# KiCad board zone-controller.kicad_pcb (continued)
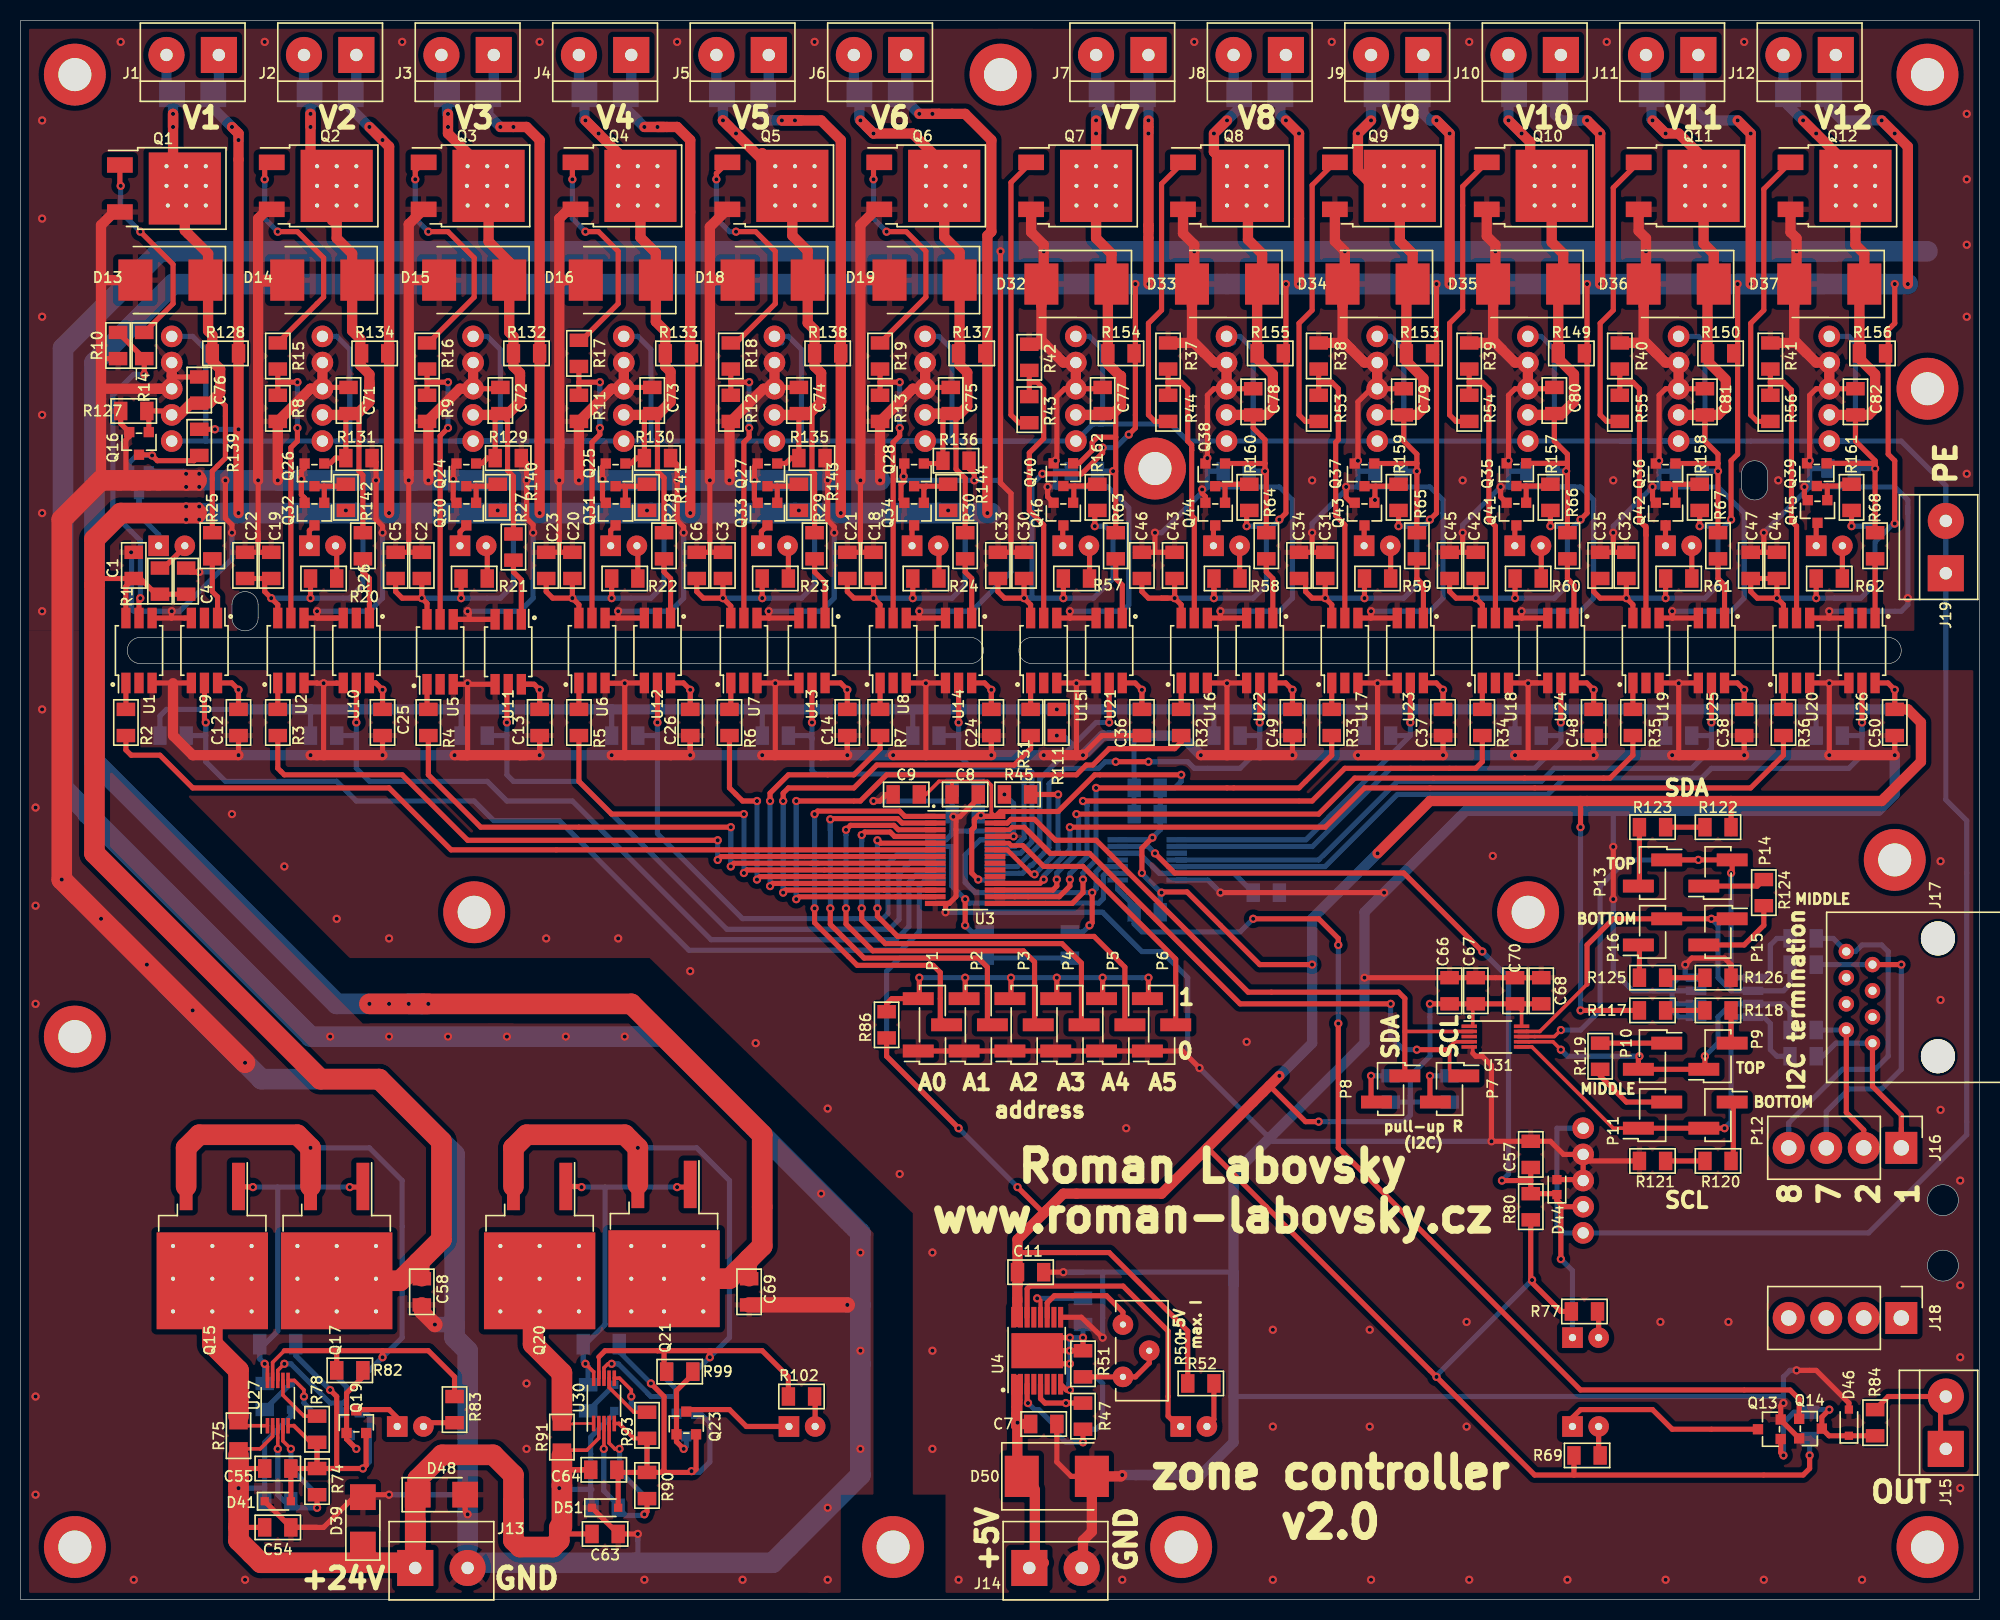
[diagram p0: board, top side]
## Routing (per net, layer and track width the routed paths; a pad name or vN(x,y) marks a point on that pad's centre or on a via; arc(x,y) is an arc through that point) (continued)
+24V_B: length 865.7
  Top w0.5: 122.73,120.65 122.73,105.41 v1(122.1,104.77) 122.18,104.69 ; 122.73,120.65 v1(122.73,127.63) ; 122.73,120.65 R155.1 ; v1(141.15,97.15) 139.25,97.15 138.61,97.79 C45.1 ; v1(141.15,97.15) 141.78,96.52 U18.6 ; v1(141.15,97.15) C42.1 ; v1(174.17,97.15) 174.17,99.06 ; v1(97.33,97.15) 97.97,96.52 U15.6 ; v1(97.33,97.15) 95.43,97.15 94.8,97.79 C33.1 ; v1(97.33,97.15) C30.1 ; 124.64,99.06 124.64,97.79 125.27,97.15 v1(126.55,97.15) ; R160.1 118.92,105.41 v1(118.92,104.14) ; v1(133.66,104.14) R159.1 ; v1(181.79,104.39) 181.79,110.49 181.15,111.12 181.15,120.9 ; 166.55,120.78 v1(166.55,127.63) ; 166.55,120.78 166.55,111.12 165.91,110.49 v1(165.91,104.77) ; 166.55,120.78 166.42,120.9 R150.1 ; R57.1 v1(101.14,97.15) ; C43.1 v1(111.94,97.15) ; v1(111.94,97.15) 112.58,96.52 U16.6 ; v1(111.94,97.15) 110.67,97.15 ; v1(130.36,97.15) R59.1 ; R60.1 v1(144.96,97.15) ; R157.1 v1(148.39,104.14) ; v1(107.49,113.03) 108.13,113.66 v1(108.13,127.63) ; U20.6 171,96.52 v1(170.36,97.15) ; v1(170.36,97.15) 168.45,97.15 167.82,97.79 C47.1 C44.1 v1(170.36,97.15) ; C32.1 v1(155.75,97.15) ; v1(155.75,97.15) 156.39,96.52 U19.6 ; v1(155.75,97.15) 153.21,97.15 152.58,97.79 152.58,99.06 ; U17.6 127.18,96.52 v1(126.55,97.15) ; v1(126.55,97.15) C31.1 ; 137.34,120.78 137.21,120.9 R153.1 ; 137.34,120.78 v1(137.34,127.63) ; 137.34,120.78 137.34,105.41 v1(136.7,104.77) ; v1(104.95,111.76) 104.95,111.25 102.92,109.22 v1(99.11,109.22) ; R58.1 v1(115.75,97.15) 115.75,98.07 ; 181.15,120.9 R156.1 ; 181.15,120.9 181.15,123.19 181.79,123.82 v1(181.79,127.63) ; 151.94,120.9 151.94,105.41 v1(151.31,104.77) ; 151.94,120.9 v1(151.94,127.63) ; 151.94,120.9 R149.1 ; v1(104.19,104.14) 104.19,105.41 R162.1 ; 104.32,105.41 104.95,105.41 ; 110.67,97.15 109.4,97.15 108.77,97.79 C46.1 ; 110.67,97.15 111.3,97.15 ; v1(177.6,104.14) R161.1 ; v1(159.56,97.15) R61.1 ; v1(162.87,104.14) R158.1
  Top w1: v1(109.4,127.63) 109.4,133.35 ; v1(124,127.63) v1(124,142.24) v1(122.73,143.51) ; 109.4,133.35 109.4,132.71 ; 109.4,133.35 v1(109.4,143.51) ; v1(180.52,143.51) v1(181.79,142.24) 183.06,140.97 v1(183.06,127.63) ; v1(166.55,143.51) v1(167.82,142.24) v1(167.82,127.63) ; v1(137.34,143.51) v1(138.61,142.24) v1(138.61,127.63) ; v1(151.94,143.51) v1(153.21,142.24) v1(153.21,127.63)
  Top w1.5: C69.1 70.67,33.02
  Top w2: v1(39.55,57.78) v1(33.83,57.78) ; 38.92,57.78 59.23,57.78 71.93,45.08 71.93,34.29 68.76,31.11 Q21.3
  Bottom w0.5: v1(99.11,109.22) 98.1,108.2 98.1,97.28 97.97,97.15 v1(97.33,97.15) v1(101.14,97.15) 104.07,97.15 105.97,99.06 105.97,103.38 105.21,104.14 v1(104.19,104.14) ; 180.52,103.25 181.66,104.39 v1(181.79,104.39) ; 180.52,103.25 179.88,102.62 179.88,98.55 178.49,97.15 175.95,97.15 ; 180.52,103.25 179.63,104.14 v1(177.6,104.14) ; v1(122.1,104.77) 121.21,103.89 ; 121.21,103.89 120.83,103.5 120.83,98.42 119.56,97.15 v1(111.94,97.15) ; 121.21,103.89 120.96,104.14 v1(118.92,104.14) ; 135.88,103.95 135.44,103.5 135.44,98.42 134.16,97.15 v1(126.55,97.15) ; 135.88,103.95 135.69,104.14 v1(133.66,104.14) ; 135.88,103.95 v1(136.7,104.77) ; 164.84,103.7 164.64,103.5 164.64,98.42 163.38,97.15 v1(155.75,97.15) ; 164.84,103.7 v1(165.91,104.77) ; 164.84,103.7 164.39,104.14 v1(162.87,104.14) ; 175.95,97.15 178.23,97.15 ; 175.95,97.15 v1(174.17,97.15) v1(170.36,97.15) ; 150.29,103.76 150.04,103.5 150.04,98.42 148.77,97.15 v1(141.15,97.15) ; 150.29,103.76 149.91,104.14 v1(148.39,104.14) ; 150.29,103.76 v1(151.31,104.77) ; v1(104.95,111.76) 106.22,111.76 v1(107.49,113.03)
  Bottom w1: 109.4,146.05 v1(109.4,143.51) v1(109.4,142.24) ; J7.1 109.4,146.59 D20.1 108.77,145.95 ; J8.1 122.73,146.59 D21.1 ; J9.1 136.07,146.59 D22.1 136.07,145.51 136.07,144.14 136.7,143.51 v1(137.34,143.51) v1(138.61,142.24) ; J11.1 162.74,146.59 D24.1 162.2,144.69 163.38,143.51 v1(166.55,143.51) v1(167.82,142.24) ; v1(124,142.24) v1(122.73,143.51) 122.2,144.05 D21.1 ; D25.1 175.44,144.78 176.71,143.51 v1(180.52,143.51) v1(181.79,142.24) ; D25.1 176.07,145.41 ; D25.1 176.07,146.69 J12.1 ; 122.73,145.51 D21.1 ; 150.67,143.51 v1(151.94,143.51) v1(153.21,142.24) ; 150.67,143.51 151.31,143.51 ; 150.67,143.51 149.4,143.51 148.86,144.05 D23.1 149.4,146.59 J10.1
  Bottom w2: 16.69,127.63 v1(108.13,127.63) 132.89,127.63 ; 144.32,127.63 v1(137.34,127.63) v1(122.73,127.63) 120.83,127.63 ; 17.33,127.63 14.78,127.63 7.17,120.01 7.17,81.28 30.66,57.78 38.92,57.78 ; 174.81,127.63 158.93,127.63 ; 165.28,127.63 141.78,127.63 ; v1(37.64,57.78) v1(39.55,57.78) ; v1(183.06,127.63) v1(166.55,127.63)
  vias: v1(35.74,57.78)
GND: length 871.4
  Top w0.35: 140.85,53.61 140.85,53 ; 96.32,74.03 96.38,74.1 ; 92.89,78.74 C8.2
  Top w0.5: C68.2 C70.2 C67.2 C66.2 v1(130.36,60.32) ; 103.05,81.99 104.88,83.82 105.59,83.82 ; 96.32,74.03 U3.25 95.8,74.03 ; v1(160.83,88.9) 160.83,81.91 ; SW13.4 SW13.3 151.47,40.73 D44.2 ; SW13.4 149.66,43.18 148.39,44.45 C57.2 ; SW13.4 152.2,42.54 R121.2 ; v1(104.95,25.4) 102.89,27.38 U4.9 ; U5.3 U11.4 ; 58.6,88.92 58.58,88.9 56.7,88.9 56.67,88.92 ; v1(50.34,81.91) C13.2 50.34,82.55 ; v1(114.35,51.56) 112.7,53.21 P6.1 ; U15.3 104.32,88.92 ; v1(87.81,88.9) 87.81,81.91 ; C49.2 v1(123.37,81.91) ; C11.2 v1(101.14,31.75) ; 64.95,82.55 C26.2 v1(64.95,81.91) ; C9.2 84,78.1 83.36,77.47 v1(82.73,77.47) ; v1(175.44,81.91) v1(175.44,88.9) ; 105.59,83.82 104.95,83.82 ; 105.59,83.82 C36.2 ; 80.19,82.55 C14.2 v1(80.19,81.91) ; U12.4 58.62,88.92 v1(58.6,88.9) 58.6,81.91 ; v1(172.26,22.22) 174.17,22.22 177.34,19.05 D46.2 ; v1(89.71,66.67) 89.71,67.31 89.93,67.53 ; C24.2 v1(94.16,81.91) ; 78.28,81.91 79.55,81.91 ; 103.91,11.94 101.91,11.94 100.51,13.33 C7.2 ; v1(116.39,68.58) v1(132.26,68.58) ; U1.3 U9.4 ; U3.14 89.93,67.53 ; 89.93,67.53 90.06,67.53 90.73,68.2 90.73,75.69 v1(90.48,75.95) 91.11,75.95 92.89,77.72 C8.2 ; U20.3 U26.4 ; v1(137.97,81.91) C37.2 ; v1(29.39,88.9) 29.39,81.91 ; v1(131.62,88.9) 131.62,81.91 ; v1(73.2,88.9) 73.2,81.91 ; 49.71,81.91 49.08,81.91 ; 30.64,88.9 30.66,88.92 ; 140.85,53 141.15,52.7 141.78,52.7 142.67,51.82 v1(142.67,44.45) 145.85,44.45 ; U16.3 U22.4 ; U19.3 162.67,88.92 ; P1.1 110.56,53.21 ; U10.4 31.27,88.9 28.75,88.9 28.73,88.92 U2.3 ; U8.3 U14.4 ; U24.4 146.25,88.92 v1(146.23,88.9) 146.23,81.91 ; C12.2 v1(21.14,81.91) ; v1(171,19.05) 170.72,18.78 Q13.2 170.72,17.41 Q14.2 ; v1(43.36,88.9) 43.36,81.91 ; U7.3 U13.4 ; C48.2 v1(152.58,81.91) ; v1(117.02,88.9) 117.02,81.91 ; U17.3 U23.4 ; C25.2 v1(35.11,81.91) ; C50.2 v1(181.79,81.91) ; C38.2 v1(167.19,81.91) ; R126.2 165.91,61.59 165.28,62.23 162.1,62.23 v1(161.47,61.59) ; v1(154.48,67.94) v1(154.48,73.03) ; U18.3 147.15,88.92 ; v1(102.42,88.9) 102.42,81.91 ; 64.31,81.91 63.05,81.91
  Top w1: v1(152.58,81.91) v1(144.96,81.91) ; v1(94.16,81.91) v1(84.64,81.91) ; 103.05,3.56 103.05,5.72 103.91,6.57 103.91,11.94 106.73,11.94 v1(106.86,12.06) ; v1(160.2,81.91) v1(167.19,81.91) ; 78.28,81.91 77.65,81.91 ; 77.65,81.91 v1(71.93,81.91) ; 77.65,81.91 v1(80.19,81.91) ; 103.05,81.99 103.01,81.95 ; v1(21.14,81.91) 16.69,81.91 14.78,83.82 14.78,88.9 ; v1(137.97,81.91) v1(129.72,81.91) ; v1(175.44,81.91) v1(181.79,81.91) ; v1(103.05,81.91) v1(99.24,81.91) ; 43.36,81.91 48.44,81.91 ; 43.36,81.91 v1(42.09,81.91) ; 43.36,81.91 42.72,81.91 ; 48.44,81.91 v1(50.34,81.91) ; 48.44,81.91 49.08,81.91 ; v1(57.33,81.91) v1(64.95,81.91) ; v1(114.48,81.91) v1(123.37,81.91) ; v1(35.11,81.91) v1(28.12,81.91)
  Bottom w0.5: 139.88,19.69 171,19.69 ; 139.88,19.69 140.51,19.69 ; 139.88,19.69 117.65,19.69 ; 171,19.69 v1(171,19.05) ; 171,19.69 171,21.59 171.63,22.22 v1(172.26,22.22) ; 160.2,59.05 160.2,59.69 160.83,60.32 161.47,60.32 ; 160.2,59.05 160.2,57.78 ; 160.2,59.05 158.93,59.05 ; 160.2,59.05 D52.7 ; 158.93,59.05 158.29,59.05 ; 158.93,59.05 156.39,59.05 154.48,60.96 v1(154.48,67.94) ; 160.2,57.78 160.2,57.15 160.83,56.51 D52.5 ; 160.2,57.78 D52.6 ; v1(152.58,81.91) C48.2 ; 90.35,77.47 v1(82.73,77.47) ; 90.35,77.47 C59.1 ; 90.35,77.47 C61.1 90.35,74.55 ; 154.17,76.52 154.48,76.2 v1(154.48,73.03) ; 91.87,74.55 92.38,74.55 ; 92.38,74.55 90.35,74.55 ; 92.38,74.55 96.32,74.55 ; C25.2 v1(35.11,81.91) ; C38.2 v1(167.19,81.91) ; 90.35,74.55 90.35,74.29 89.76,73.7 U28.7 ; v1(142.67,44.45) 121.46,44.45 121.15,44.77 ; v1(95.43,78.1) 96.32,77.22 v1(96.32,74.04) ; 104.95,27.3 104.95,31.75 ; 104.95,27.3 v1(104.95,25.4) ; 104.95,27.3 104.95,29.84 ; 104.95,31.75 101.78,31.75 ; 104.95,31.75 117.65,31.75 ; v1(116.39,68.58) 115.16,69.8 U29.7 ; 112.19,69.75 112.14,69.75 ; v1(101.14,31.75) 101.78,31.75 ; 101.78,31.75 103.05,31.75 ; 108,75.56 108,83.69 108.13,83.82 ; v1(89.71,66.67) 104.95,66.67 108.77,62.86 110.67,62.86 113.21,60.32 113.21,52.7 120.83,45.08 121.46,45.08 ; C50.2 v1(181.79,81.91) ; C26.2 v1(64.95,81.91) ; v1(161.47,61.59) 161.47,60.32 ; 161.47,60.32 D52.8 ; v1(21.14,81.91) C12.2 ; C37.2 v1(137.97,81.91) ; C49.2 v1(123.37,81.91) ; C13.2 v1(50.34,81.91) ; C24.2 v1(94.16,81.91) ; C14.2 v1(80.19,81.91)
  Bottom w1: v1(152.58,81.91) v1(160.2,81.91) ; v1(99.24,81.91) v1(94.16,81.91) ; v1(84.64,81.91) v1(80.19,81.91) ; v1(181.79,81.91) 181.79,78.1 180.2,76.52 140.2,76.52 130.36,66.67 130.36,53.97 117.65,41.28 117.65,30.48 ; v1(50.34,81.91) v1(57.33,81.91) ; v1(28.12,81.91) v1(21.14,81.91) ; v1(42.09,81.91) v1(35.11,81.91) ; v1(103.05,81.91) 104.95,83.82 112.58,83.82 v1(114.48,81.91) ; v1(167.19,81.91) v1(175.44,81.91) ; 110.67,12.06 108.13,12.06 ; v1(64.95,81.91) v1(71.93,81.91) ; v1(137.97,81.91) v1(144.96,81.91) ; v1(106.86,12.06) 108.13,12.06 ; 108.13,12.06 114.48,12.06 117.65,15.24 117.65,31.75 ; v1(123.37,81.91) v1(129.72,81.91)
  vias: v1(20.5,76.2) v1(25.58,71.12) v1(30.66,66.04) v1(35.74,64.13) v1(50.98,64.13) v1(57.96,64.13) v1(64.95,60.96) v1(71.3,53.97) v1(78.28,47.62) v1(85.27,41.28) v1(88.45,33.66) v1(88.45,24.13) v1(88.45,14.6) v1(90.98,1.91) v1(106.86,1.91) v1(107.24,45.72) v1(118.92,54.1) v1(121.46,26.16) v1(121.46,16.76) v1(121.46,1.91) v1(130.86,26.16) v1(130.86,16.76) v1(130.99,1.91) v1(140.26,26.92) v1(140.26,16.76) v1(140.51,1.91) v1(142.8,72.14) v1(150.04,1.91) v1(159.06,26.92) v1(159.56,1.91) v1(165.66,26.92) v1(169.09,1.91) v1(178.61,1.91) v1(186.23,71.63) v1(186.23,58.17) v1(186.23,47.5) v1(188.14,40.64) v1(188.14,30.48) v1(188.14,23.5) v1(188.14,10.79)
GND1: length 48.3
  Top w0.35: U27.5 26.51,16.85
  Top w0.4: 26.51,16.85 28.75,14.6
  Top w0.5: v1(30.02,20.32) 30.66,19.69 30.66,12.7 ; 30.66,12.7 v1(33.2,12.7) 33.52,13.01 Q19.2 ; 30.66,12.7 R74.2 ; R78.2 R74.2 ; R74.2 C55.1 ; C55.1 26.85,12.7 ; C55.1 D41.2
  Bottom w0.5: Q18.2 33.47,18.14 33.83,17.78 33.83,13.33 v1(33.2,12.7) R74.2 R78.2 ; v1(30.02,20.32) 26.7,23.65 D43.2 26.7,24.28
GND2: length 52.1
  Top w0.35: U30.5 58.05,17.06
  Top w0.4: R93.2 59.49,15.62 58.05,17.06
  Top w0.5: R90.2 62.16,12.32 ; R90.2 58.09,12.32 C64.1 57.96,12.45 D51.2 ; R90.2 R93.2 ; R90.2 61.01,12.06 ; 62.16,12.32 65.2,12.32 65.52,12.63 Q23.2 ; 62.16,12.32 62.41,12.57 62.41,19.69 v1(61.14,20.95)
  Bottom w0.5: D53.2 58.06,24.03 v1(61.14,20.95) ; Q22.2 65.98,18.02 66.86,17.14 66.86,13.33 65.84,12.32 R90.2 R93.2
  vias: v1(65.08,12.45)
GND_A: length 1806.9
  Top w0.5: v1(139.88,103.5) 139.88,101.6 ; 139.88,101.6 C45.2 ; 139.88,101.6 C42.2 ; Q43.2 129.1,106.41 128.58,106.93 v1(128.58,107.95) ; v1(66.86,108.58) 66.86,101.6 ; Q34.2 85.4,106.73 85.4,108.2 85.65,108.46 85.65,110.15 Q28.2 ; 7.8,120.52 7.93,120.4 R10.2 ; Q41.2 143.56,106.98 v1(143.56,107.95) ; v1(35.74,10.16) 34.08,10.16 33.83,9.92 32.33,9.92 29.39,6.98 C54.2 ; U26.3 175.41,95.22 ; 175.41,95.22 U20.4 ; 175.41,95.22 175.41,95.86 v1(175.44,95.88) ; v1(101.78,95.88) 101.78,95.25 101.8,95.22 ; 154.48,101.6 152.58,101.6 ; 154.48,101.6 v1(154.48,103.5) ; 154.48,101.6 155.12,101.6 ; C72.1 46.41,117.47 SW3.3 ; 108.13,101.6 109.4,101.6 ; Q26.2 27.55,109.79 27.23,109.47 v1(27.23,108.71) 27.23,107.19 27.55,106.87 Q32.2 ; Q24.2 41.96,109.9 v1(41.96,108.71) 41.96,106.73 Q30.2 ; 30.66,95.22 28.78,95.22 28.78,95.86 v1(28.75,95.88) ; 14.63,95.22 U9.3 ; 14.63,95.22 14.63,95.86 v1(14.66,95.88) ; 14.63,95.22 U1.4 ; 96.06,101.6 C30.2 ; 96.06,101.6 C33.2 ; 96.06,101.6 96.06,107.31 95.05,108.33 v1(95.05,130.81) ; 56.7,95.88 56.72,95.86 56.72,95.22 ; v1(114.61,107.7) 114.61,107.32 114.93,107 Q44.2 ; v1(20.5,103.5) 20.5,104.27 19.86,104.9 v1(19.86,108.58) ; C73.1 58.63,117.6 SW4.3 ; U6.4 57.94,95.22 ; 57.94,95.22 57.96,95.25 v1(57.96,95.88) ; 57.94,95.22 U12.3 ; 66.86,101.6 C3.2 ; 66.86,101.6 C6.2 ; C34.2 125.27,101.6 ; 125.27,101.6 v1(125.27,103.5) ; 125.27,101.6 C31.2 ; 116.36,95.22 U22.3 ; 116.36,95.22 U16.4 ; 116.36,95.22 116.39,95.25 v1(116.39,95.88) ; 14.66,118.74 14.78,118.62 C76.1 ; 72.59,95.22 72.57,95.25 v1(72.57,95.88) ; 72.59,95.22 U13.3 ; 72.59,95.22 U7.4 ; v1(37.64,108.58) 37.64,101.6 ; 14.46,120.21 SW1.4 ; 115.11,115.82 v1(115.11,110.74) 114.93,110.56 Q38.2 ; 115.11,115.82 115.11,116.84 115.75,117.47 SW8.3 C78.1 ; 115.11,115.82 115.11,115.57 ; C75.1 87.87,117.6 SW6.3 ; 110.03,101.6 v1(110.03,103.5) ; 110.03,101.6 C43.2 ; 110.03,101.6 C46.2 ; Q42.2 158.29,106.73 v1(158.29,107.95) ; 23.04,101.6 23.67,101.6 ; 23.04,101.6 23.04,103.5 ; 23.04,101.6 21.14,101.6 ; v1(43.36,8.25) 43.12,8.5 D48.2 ; v1(49.71,103.5) 49.71,104.27 49.08,104.9 v1(49.08,108.58) 49.08,110.24 R129.2 ; v1(144.32,110.49) 144.32,116.84 144.96,117.47 SW10.3 148.64,117.47 C80.1 ; 25.36,127.63 23.04,127.63 ; v1(52.25,108.58) 52.25,101.6 ; C54.2 28.75,6.98 ; C54.2 D41.1 ; 160.22,95.22 160.2,95.25 v1(160.2,95.88) 160.22,95.86 ; 160.22,95.22 U25.3 ; 160.22,95.22 U19.4 ; C21.2 81.46,101.6 ; 81.46,101.6 v1(81.46,108.58) ; 81.46,101.6 C18.2 ; 100.51,110.49 100.51,116.71 101.27,117.47 SW7.3 104.83,117.47 C77.1 ; C74.1 73.25,117.6 SW5.3 ; 43.51,95.1 43.51,95.73 v1(43.36,95.88) ; 43.51,95.1 U11.3 ; 43.51,95.1 U5.4 ; v1(59.87,6.35) C63.2 D51.1 ; Q25.2 56.44,109.9 v1(56.44,108.71) 56.44,106.73 Q31.2 ; C2.2 37.64,101.6 ; 37.64,101.6 C5.2 ; C4.2 16.44,99.69 v1(17.33,99.69) ; C1.2 10.76,101.6 ; 14.78,117.6 SW1.3 ; Q27.2 71.17,109.9 v1(71.17,108.58) 71.17,106.73 Q33.2 ; U14.3 87.2,95.22 ; 87.2,95.22 87.17,95.25 v1(87.17,95.88) ; 87.2,95.22 U8.4 ; 9.58,108.58 10.21,109.22 10.21,112.52 10.53,112.84 Q16.2 9.7,114.1 R127.2 ; 130.96,95.22 130.99,95.25 v1(130.99,95.88) ; 130.96,95.22 U23.3 ; 130.96,95.22 U17.4 ; v1(129.72,110.49) 129.72,116.2 130.99,117.47 SW9.3 C79.1 ; v1(78.92,103.5) 78.92,104.07 78.28,104.71 v1(78.28,108.58) 78.28,110.49 R135.2 ; 101.8,95.22 104.32,95.22 ; 101.8,95.22 U15.4 ; R136.2 92,109.73 92.51,109.22 v1(92.51,108.58) ; v1(64.31,103.5) 64.31,104.07 63.68,104.71 v1(63.68,108.58) 63.68,110.11 R130.2 ; v1(35.11,103.5) 35.11,104.14 34.47,104.77 v1(34.47,108.58) 34.47,110.36 R131.2 ; 129.75,95.86 129.72,95.88 ; v1(145.59,95.88) 145.59,95.25 145.62,95.22 ; C82.1 SW12.3 174.17,117.47 173.53,116.84 v1(173.53,110.49) ; 11.39,127.63 10.97,127.63 10.66,127.95 ; U18.4 145.62,95.22 ; 145.62,95.22 U24.3 ; 52.25,101.6 C20.2 ; 52.25,101.6 C23.2 ; Q46.2 99.62,106.98 v1(99.62,107.95) ; C81.1 SW11.3 159.56,117.47 158.93,116.84 v1(158.93,110.49) ; v1(23.04,108.58) 23.04,102.23 ; 31.93,117.6 28.88,117.6 28.75,117.47 ; U10.3 U2.4 ; C44.2 C47.2 169.09,101.6 v1(169.09,103.5) ; Q45.2 173.03,106.98 v1(173.03,107.95) ; 11.99,108.97 12.37,108.58 ; 13.77,108.97 13.39,108.58
  Top w1: R39.2 143.06,121.92 143.69,121.28 ; 52.25,127.63 52.25,112.39 ; 52.25,127.63 52.63,128.02 D16.2 ; 52.25,127.63 52.25,133.99 53.14,134.88 Q4.2 ; 52.25,112.39 52.25,111.76 ; 52.25,112.39 v1(52.25,108.58) ; D35.2 142.83,122.14 143.69,121.28 ; D35.2 143.06,127.86 v1(143.06,130.81) 143.06,131.44 142.22,132.28 Q10.2 ; D35.2 142.83,125.5 ; 172.04,125.5 D37.2 ; D37.2 172.9,126.77 ; D37.2 172.26,127.86 v1(172.26,130.81) 172.26,132.08 171.68,132.66 Q12.2 171.63,134.83 ; D37.2 172.04,122.14 173.22,120.97 ; D37.2 172.9,128.5 ; v1(39.55,108.58) 39.55,114.17 R9.2 42.6,117.47 SW3.3 ; D34.2 128.45,127.86 v1(128.45,130.81) 127.48,131.78 Q9.2 ; D34.2 128.22,122.14 129.08,121.28 ; D34.2 128.22,125.5 ; 83.36,111.12 R13.2 86.54,117.47 SW6.3 SW6.4 ; 83.36,111.12 v1(83.36,108.58) ; 83.36,111.12 83.36,110.49 ; SW1.3 14.15,117.47 ; SW1.3 13.13,117.47 ; SW1.3 SW1.4 ; SW1.3 8.05,117.47 7.8,117.73 ; 7.8,128.27 8.05,128.02 D13.2 ; 7.8,128.27 7.8,133.35 9.08,134.63 Q1.2 9.62,134.62 ; 7.8,128.27 7.8,117.73 ; 99.02,125.5 D32.2 ; D32.2 99.02,122.14 99.37,121.79 ; D32.2 99.24,127.86 v1(99.24,130.81) 99.24,131.44 98.02,132.66 Q7.2 ; 129.08,121.28 128.45,121.92 R38.2 ; 129.08,121.28 130.36,120.01 SW9.4 SW9.3 ; 141.56,121.95 141.53,121.92 ; 157.66,126.77 156.8,127.63 ; D19.2 81.84,128.02 81.46,127.63 ; 81.46,127.63 81.46,133.35 82.99,134.88 Q6.2 ; 81.46,127.63 v1(81.46,108.58) ; SW10.3 SW10.4 144.96,120.01 143.69,121.28 ; SW5.4 SW5.3 72.06,117.47 69.2,114.62 ; 114.8,120.97 113.84,121.92 R37.2 ; 114.8,120.97 113.62,122.14 D33.2 ; 114.8,120.97 115.75,120.01 SW8.4 SW8.3 ; 37.64,128.27 37.9,128.02 D15.2 ; 37.64,128.27 v1(37.64,108.58) ; 37.64,128.27 37.64,133.43 Q3.2 ; 142.42,126.77 141.56,127.63 ; 7.8,117.73 7.8,108.58 ; SW2.4 SW2.3 28.12,117.47 ; 173.22,120.97 172.26,121.92 R41.2 ; 173.22,120.97 174.17,120.01 SW12.4 SW12.3 ; v1(68.76,108.58) 68.76,114.17 R12.2 ; 23.04,127.63 23.42,128.02 D14.2 ; 28.12,117.47 R8.2 v1(24.95,108.58) ; 28.12,117.47 28.75,117.47 ; v1(23.04,108.58) 23.04,133.99 23.93,134.88 ; D36.2 157.44,122.14 158.61,120.97 ; D36.2 157.44,125.5 ; D36.2 157.66,127.86 v1(157.66,130.81) 157.66,132.08 156.95,132.79 Q11.2 ; SW7.3 SW7.4 101.14,120.01 99.37,121.79 ; D18.2 67.24,128.02 66.86,127.63 ; SW4.4 SW4.3 57.33,117.47 R11.2 v1(54.15,108.58) ; SW11.3 SW11.4 159.56,120.01 158.61,120.97 ; 66.86,127.63 v1(66.86,108.58) ; 66.86,127.63 66.86,133.18 Q5.2 ; D33.2 113.84,127.86 v1(113.84,130.81) 113.84,131.44 112.75,132.54 Q8.2 ; D33.2 113.62,125.5 ; 158.61,120.97 157.66,121.92 157.02,121.92 ; 44.02,117.6 SW3.3 ; SW3.3 SW3.4 ; 99.37,121.79 R42.2 ; 157.02,121.92 R40.2 ; 157.02,121.92 156.39,121.92
  Top w1.5: C58.2 38.92,27.94 v1(40.18,26.67) ; C69.2 v1(80.19,28.57)
  Top w2: v1(21.77,52.07) v1(3.99,69.85) 3.99,104.77 7.8,108.58 17.07,108.58
  Bottom w0.5: 173.53,107.95 181.79,107.95 183.06,106.68 183.06,105.41 ; 173.53,107.95 173.53,109.73 ; 173.53,107.95 v1(173.03,107.95) ; 173.53,107.95 v1(169.09,103.5) ; 129.72,109.6 129.72,107.95 130.36,107.95 ; 129.72,109.6 129.85,109.47 R147.2 ; 129.72,109.6 v1(129.72,110.49) ; v1(160.2,95.88) 165.91,95.88 167.19,97.15 167.19,105.41 164.64,107.95 158.93,107.95 158.93,109.35 ; 18.91,99.38 15.42,95.88 ; 18.91,99.38 18.59,99.69 v1(17.33,99.69) ; 18.91,99.38 20.5,100.96 v1(20.5,103.5) ; 47.17,95.88 47.8,95.88 ; 47.17,95.88 v1(43.36,95.88) ; 47.17,95.88 48.44,95.88 49.71,97.15 v1(49.71,103.5) ; v1(64.31,103.5) 64.31,97.15 63.05,95.88 61.14,95.88 ; v1(16.05,109.22) 15.82,109.46 Q29.2 ; v1(72.57,95.88) 77.65,95.88 78.92,97.15 v1(78.92,103.5) ; 158.93,109.35 159.06,109.47 R146.2 ; 158.93,109.35 v1(158.93,110.49) ; 115.11,107.95 110.67,103.5 v1(110.03,103.5) ; 115.11,107.95 115.11,109.47 ; 115.11,107.95 122.1,107.95 123.37,106.68 123.37,97.15 122.1,95.88 v1(116.39,95.88) ; v1(139.88,103.5) 139.88,104.27 v1(143.56,107.95) 144.83,107.95 ; v1(130.99,95.88) 136.7,95.88 137.97,97.15 137.97,106.68 136.7,107.95 130.36,107.95 ; R148.2 115.11,109.47 ; 115.11,109.47 115.11,110.49 ; 36.37,10.16 43.36,10.16 v1(35.74,10.16) ; 15.42,95.88 v1(14.66,95.88) 10.97,95.88 10.76,96.1 10.76,101.6 ; 15.42,95.88 15.8,96.27 ; v1(35.11,103.5) 35.11,97.15 33.83,95.88 v1(28.75,95.88) ; 61.14,95.88 61.77,95.88 ; 61.14,95.88 v1(57.96,95.88) ; 130.36,107.95 v1(128.58,107.95) ; R152.2 100.64,109.47 ; 85.78,108.58 85.65,108.71 v1(85.65,108.97) ; 85.78,108.58 94.8,108.58 96.06,107.31 96.06,99.69 92.25,95.88 v1(87.17,95.88) ; 85.78,108.58 v1(83.36,108.58) ; 128.58,107.7 125.27,104.39 v1(125.27,103.5) ; v1(145.59,95.88) 151.31,95.88 152.58,97.15 152.58,106.68 151.31,107.95 149.4,107.95 ; 59.62,3.56 59.87,3.81 v1(59.87,6.35) 59.87,5.72 ; 183.06,105.41 v1(183.06,97.15) 183.06,96.52 182.42,95.88 v1(175.44,95.88) ; 183.06,105.41 183.06,106.04 ; 173.53,109.73 R151.2 ; 173.53,109.73 v1(173.53,110.49) ; 144.32,109.47 v1(144.32,110.49) ; 144.32,109.47 R145.2 ; 144.32,109.47 144.32,107.95 144.83,107.95 ; 144.83,107.95 150.67,107.95 ; 80.83,22.22 81.46,22.86 ; 100.64,107.95 100.38,107.95 v1(100.38,110.49) ; 100.64,107.95 105.46,107.95 107.49,105.92 107.49,96.52 106.86,95.88 v1(101.78,95.88) ; 100.64,107.95 v1(99.62,107.95) ; 15.82,108.95 16.18,108.58 ; v1(154.48,103.5) 154.48,104.14 v1(158.29,107.95) 158.8,107.95 ; 21.77,107.95 22.4,108.58 ; 14.15,117.47 SW1.3
  Bottom w1: 59.87,108.58 58.6,108.58
  Bottom w1.5: v1(80.19,28.57) 81.46,28.57 ; v1(40.18,26.67) 42.09,26.67
  Bottom w2: 109.4,130.81 120.2,130.81 ; 109.4,130.81 96.06,130.81 ; 109.4,130.81 127.18,130.81 ; 21.14,108.58 17.33,108.58 ; 17.33,108.58 16.69,108.58 ; 17.33,108.58 16.18,108.58 ; 101.78,130.81 14.15,130.81 ; v1(83.36,108.58) 72.57,108.58 ; 22.4,108.58 v1(23.04,108.58) ; 22.4,108.58 25.58,108.58 ; 22.4,108.58 20.5,108.58 ; v1(157.66,130.81) 152.58,130.81 ; 184.96,130.81 167.82,130.81 ; 165.28,130.81 176.07,130.81 ; 43.36,3.56 72.95,3.56 81.46,12.06 81.46,35.56 62.41,54.61 28.12,54.61 6.47,76.26 6.47,76.39 4.12,78.74 4.12,121.41 13.52,130.81 14.78,130.81 ; 14.15,59.69 23.36,50.48 34.79,50.48 42.09,43.18 42.09,25.4 43.36,24.13 v1(43.36,8.25) 43.36,5.08 ; 133.53,130.81 126.55,130.81 ; 149.4,130.81 165.91,130.81 ; 33.2,108.58 v1(24.95,108.58) ; 36.37,108.58 70.67,108.58 ; 132.89,130.81 142.42,130.81 ; v1(63.68,108.58) 73.84,108.58 ; 32.56,108.58 38.28,108.58 ; 155.75,130.81 139.25,130.81 ; 124.64,130.81 130.36,130.81
  vias: v1(1.45,76.83) v1(1.45,67.31) v1(1.45,57.78) v1(1.45,19.69) v1(1.45,10.16) v1(2.08,143.51) v1(2.08,133.99) v1(2.08,124.46) v1(2.08,114.93) v1(2.08,105.41) v1(2.08,95.88) v1(2.08,86.36) v1(7.8,66.04) v1(9.7,151.13) v1(10.72,101.6) v1(10.97,1.91) v1(12.24,61.59) v1(16.05,107.95) v1(16.69,57.15) v1(17.33,109.22) v1(17.33,107.95) v1(21.77,1.91) v1(23.67,151.13) v1(30.02,54.61) v1(35.74,54.61) v1(37.01,151.13) v1(41.45,54.61) v1(47.17,54.61) v1(49.08,20.95) v1(49.08,14.6) v1(50.34,151.13) v1(52.89,54.61) v1(58.6,54.61) v1(60.5,1.91) v1(63.68,151.13) v1(70.03,1.91) v1(77.02,151.13) v1(77.65,39.37) v1(78.28,8.89) v1(78.28,1.91) v1(81.46,33.66) v1(81.46,24.13) v1(81.46,14.6) v1(113.84,151.13) v1(125.27,108.58) v1(127.18,151.13) v1(139.88,108.58) v1(140.51,151.13) v1(153.85,151.13) v1(154.48,108.58) v1(167.19,151.13) v1(170.49,108.58) v1(188.77,144.14) v1(188.77,137.79) v1(188.77,131.44) v1(188.77,124.46) v1(188.77,109.22)
/A0: length 42.1
  Top w0.5: v1(77.02,67.06) 77.02,65.66 81.14,61.53 88.51,61.53 89.21,60.83 89.21,56.37 P1.2 ; U3.1 85.77,75.98 85.26,76.49 77.31,76.49 v1(77.02,76.2)
  Bottom w0.5: v1(77.02,67.06) v1(77.02,76.2)
/A1: length 43.8
  Top w0.4: 78.61,75.76 v1(78.54,75.69)
  Top w0.5: v1(78.54,67.06) 78.54,65.51 81.81,62.23 92.89,62.23 93.78,61.34 93.78,56.24 P2.2 ; 78.61,75.76 85.07,75.76 85.5,75.33 U3.2
  Bottom w0.5: v1(78.54,67.06) 78.54,74.68 ; 78.54,74.68 v1(78.54,75.69) ; 78.54,74.68 78.54,75.18
/A2: length 44.6
  Top w0.5: U3.3 85.14,74.68 84.71,75.11 80.5,75.11 v1(80.06,74.68) ; P3.2 98.35,56.11 98.35,61.85 97.27,62.93 82.66,62.93 80.06,65.53 v1(80.06,67.06) ; 99.34,55.75 99.09,56.01
  Bottom w0.5: v1(80.06,74.68) v1(80.06,67.06)
/A3: length 45.5
  Top w0.5: 102.9,59.84 102.9,61.75 101.01,63.63 83.87,63.63 81.59,65.91 v1(81.59,67.06) ; 102.42,55.75 P4.2 102.9,56.01 102.9,59.79 ; U3.4 84.77,74.03 84.34,74.46 81.88,74.46 v1(81.59,74.17)
  Bottom w0.5: v1(81.59,74.17) v1(81.59,67.06)
/A4: length 45.4
  Top w0.5: 107.11,56.01 107.11,61.34 104.12,64.33 85.07,64.33 83.11,66.29 v1(83.11,67.06) ; U3.5 83.39,73.38 v1(83.11,73.66) ; 106.99,55.75 P5.2 107.34,56.01
  Bottom w0.5: v1(83.11,67.06) v1(83.11,73.66)
/A5: length 29.2
  Top w0.35: 95.17,73.36 95.15,73.38 U3.24
  Top w0.45: 97.21,73.15 96.09,73.15 95.86,73.38 U3.24
  Top w0.5: P6.2 112.05,62.12 103.05,71.12 99.24,71.12 97.21,73.15
/AND_OUT_0_3: length 29.9
  Top w0.5: v1(91.62,65.41) v1(91.62,67.94)
  Bottom w0.4: 91.64,67.93 v1(91.62,67.94) ; 90.32,72.36 90.32,72.81
  Bottom w0.5: 93.52,64.77 92.25,64.77 v1(91.62,65.41) ; U29.9 105.23,70.45 105.02,70.25 105.02,68.01 104.57,67.56 92,67.56 v1(91.62,67.94) 90.32,69.25 90.32,73.05 U28.6
/AND_OUT_4_7: length 28.5
  Top w0.5: v1(103.94,68.58) 103.94,65.66 v1(103.68,65.41)
  Bottom w0.5: 101.78,64.77 103.05,64.77 v1(103.68,65.41) ; 103.68,68.58 92.61,68.58 91.62,69.57 91.62,72.24 93.08,73.7 U28.8 ; U29.10 104.81,71.1 104.32,70.61 104.32,68.96 v1(103.94,68.58)
/AND_OUT_8_11: length 14.7
  Bottom w0.25: 108.5,72.41 108.55,72.35
  Bottom w0.5: U29.12 108.5,72.41 ; 108.55,72.35 110.45,70.45 U29.6 117.68,70.45 R113.2
/AND_OUT_PUMP: length 103.4
  Top w0.5: v1(119.56,66.04) 125.91,66.04 127.81,64.13 v1(127.81,63.5) ; Q14.1 172.52,19.43 171.63,20.32 151.31,20.32 127.81,43.81 v1(127.81,55.88)
  Bottom w0.5: 106.41,69.75 106.41,68.9 108,67.31 R85.2 108,65.53 108.77,64.77 118.29,64.77 v1(119.56,66.04) ; v1(127.81,63.5) v1(127.81,55.88)
/Differential I2C bus/DSCL_N: length 43.8
  Top w0.35: 145.25,53.61 146.59,53.61 154.48,45.72 156.92,45.72